# KiCad board untitled.kicad_pcb (continued)
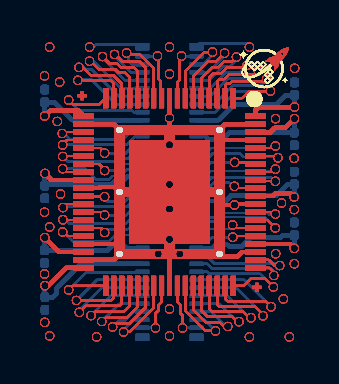
[diagram p0: board, top side]
## Routing (per net, layer and track width the routed paths; a pad name or vN(x,y) marks a point on that pad's centre or on a via; arc(x,y) is an arc through that point) (continued)
/PIN 52: length 334.8
  Top w0.2: 12.31,5.52 11.57,5.52 ; 12.31,5.52 v1(12.5,5.33) ; 12.31,5.52 v1(12.5,5.33) ; 12.31,5.52 v1(12.5,5.33) ; 12.31,5.52 v1(12.5,5.33) ; 12.31,5.52 11.57,5.52 ; 12.31,5.52 v1(12.5,5.33) ; 12.31,5.52 v1(12.5,5.33) ; 12.31,5.52 11.57,5.52 ; 12.31,5.52 11.57,5.52 ; 12.31,5.52 v1(12.5,5.33) ; 12.31,5.52 v1(12.5,5.33) ; 12.31,5.52 v1(12.5,5.33) ; 12.31,5.52 v1(12.5,5.33) ; 12.31,5.52 v1(12.5,5.33) ; 12.31,5.52 11.57,5.52 ; 12.31,5.52 v1(12.5,5.33) ; 12.31,5.52 11.57,5.52 ; 12.31,5.52 v1(12.5,5.33) ; 12.31,5.52 v1(12.5,5.33) ; 12.31,5.52 11.57,5.52 ; 12.31,5.52 11.57,5.52 ; 12.31,5.52 11.57,5.52 ; 12.31,5.52 11.57,5.52 ; 12.31,5.52 11.57,5.52 ; 12.31,5.52 v1(12.5,5.33) ; 12.31,5.52 11.57,5.52 ; 12.31,5.52 v1(12.5,5.33) ; 12.31,5.52 v1(12.5,5.33) ; 12.31,5.52 v1(12.5,5.33) ; 12.31,5.52 11.57,5.52 ; 12.31,5.52 11.57,5.52 ; 12.31,5.52 11.57,5.52 ; 12.31,5.52 11.57,5.52 ; 12.31,5.52 11.57,5.52 ; 12.31,5.52 v1(12.5,5.33) ; 12.31,5.52 11.57,5.52 ; 12.31,5.52 11.57,5.52 ; 12.31,5.52 11.57,5.52 ; 12.31,5.52 v1(12.5,5.33) ; 12.31,5.52 11.57,5.52 ; 12.31,5.52 v1(12.5,5.33) ; 12.31,5.52 v1(12.5,5.33) ; 12.31,5.52 v1(12.5,5.33) ; 12.31,5.52 v1(12.5,5.33) ; 12.31,5.52 v1(12.5,5.33) ; 12.31,5.52 11.57,5.52 ; 12.31,5.52 v1(12.5,5.33) ; 12.31,5.52 11.57,5.52 ; 12.31,5.52 v1(12.5,5.33) ; 12.31,5.52 11.57,5.52 ; 12.31,5.52 11.57,5.52 ; 12.31,5.52 11.57,5.52 ; 12.31,5.52 11.57,5.52 ; 12.31,5.52 11.57,5.52 ; 12.31,5.52 v1(12.5,5.33) ; 12.31,5.52 11.57,5.52 ; 12.31,5.52 11.57,5.52 ; 12.31,5.52 v1(12.5,5.33) ; 12.31,5.52 11.57,5.52 ; 12.31,5.52 11.57,5.52 ; 12.31,5.52 v1(12.5,5.33) ; 12.31,5.52 11.57,5.52 ; 12.31,5.52 v1(12.5,5.33) ; 12.31,5.52 v1(12.5,5.33) ; 12.31,5.52 v1(12.5,5.33) ; 12.31,5.52 v1(12.5,5.33) ; 12.31,5.52 11.57,5.52 ; 12.31,5.52 11.57,5.52 ; 12.31,5.52 11.57,5.52 ; 12.31,5.52 v1(12.5,5.33) ; 12.31,5.52 11.57,5.52 ; 12.31,5.52 v1(12.5,5.33) ; 12.31,5.52 v1(12.5,5.33) ; 12.31,5.52 11.57,5.52 ; 12.31,5.52 11.57,5.52 ; 12.31,5.52 v1(12.5,5.33) ; 12.31,5.52 11.57,5.52 ; 12.31,5.52 11.57,5.52 ; 12.31,5.52 v1(12.5,5.33) ; 12.31,5.52 v1(12.5,5.33) ; 12.31,5.52 v1(12.5,5.33) ; 12.31,5.52 v1(12.5,5.33) ; 12.31,5.52 11.57,5.52 ; 11.57,5.52 11.43,5.38 ; 11.57,5.52 11.43,5.38 ; 11.57,5.52 11.43,5.38 ; 11.57,5.52 11.43,5.38 ; 11.57,5.52 11.43,5.38 ; 11.57,5.52 11.43,5.38 ; 11.57,5.52 11.43,5.38 ; 11.57,5.52 11.43,5.38 ; 11.57,5.52 11.43,5.38 ; 11.57,5.52 11.43,5.38 ; 11.57,5.52 11.43,5.38 ; 11.57,5.52 11.43,5.38 ; 11.57,5.52 11.43,5.38 ; 11.57,5.52 11.43,5.38 ; 11.57,5.52 11.43,5.38 ; 11.57,5.52 11.43,5.38 ; 11.57,5.52 11.43,5.38 ; 11.57,5.52 11.43,5.38 ; 11.57,5.52 11.43,5.38 ; 11.57,5.52 11.43,5.38 ; 11.57,5.52 11.43,5.38 ; 11.57,5.52 11.43,5.38 ; 11.57,5.52 11.43,5.38 ; 11.57,5.52 11.43,5.38 ; 11.57,5.52 11.43,5.38 ; 11.57,5.52 11.43,5.38 ; 11.57,5.52 11.43,5.38 ; 11.57,5.52 11.43,5.38 ; 11.57,5.52 11.43,5.38 ; 11.57,5.52 11.43,5.38 ; 11.57,5.52 11.43,5.38 ; 11.57,5.52 11.43,5.38 ; 11.57,5.52 11.43,5.38 ; 11.57,5.52 11.43,5.38 ; 11.57,5.52 11.43,5.38 ; 11.57,5.52 11.43,5.38 ; 11.57,5.52 11.43,5.38 ; 11.57,5.52 11.43,5.38 ; 11.57,5.52 11.43,5.38 ; 11.57,5.52 11.43,5.38 ; 11.57,5.52 11.43,5.38 ; 11.57,5.52 11.43,5.38 ; 11.43,5.38 J158.64 ; 11.43,5.38 J158.64 ; 11.43,5.38 J158.64 ; 11.43,5.38 J158.64 ; 11.43,5.38 J158.64 ; 11.43,5.38 J158.64 ; 11.43,5.38 J158.64 ; 11.43,5.38 J158.64 ; 11.43,5.38 J158.64 ; 11.43,5.38 J158.64 ; 11.43,5.38 J158.64 ; 11.43,5.38 J158.64 ; 11.43,5.38 J158.64 ; 11.43,5.38 J158.64 ; 11.43,5.38 J158.64 ; 11.43,5.38 J158.64 ; 11.43,5.38 J158.64 ; 11.43,5.38 J158.64 ; 11.43,5.38 J158.64 ; 11.43,5.38 J158.64 ; 11.43,5.38 J158.64 ; 11.43,5.38 J158.64 ; 11.43,5.38 J158.64 ; 11.43,5.38 J158.64 ; 11.43,5.38 J158.64 ; 11.43,5.38 J158.64 ; 11.43,5.38 J158.64 ; 11.43,5.38 J158.64 ; 11.43,5.38 J158.64 ; 11.43,5.38 J158.64 ; 11.43,5.38 J158.64 ; 11.43,5.38 J158.64 ; 11.43,5.38 J158.64 ; 11.43,5.38 J158.64 ; 11.43,5.38 J158.64 ; 11.43,5.38 J158.64 ; 11.43,5.38 J158.64 ; 11.43,5.38 J158.64 ; 11.43,5.38 J158.64 ; 11.43,5.38 J158.64 ; 11.43,5.38 J158.64 ; 11.43,5.38 J158.64
  Bottom w0.2: 9.07,5.13 9.36,5.41 ; 9.07,5.13 7.67,5.13 ; 9.07,5.13 7.67,5.13 ; 9.07,5.13 7.67,5.13 ; 9.07,5.13 9.36,5.41 ; 9.07,5.13 9.36,5.41 ; 9.07,5.13 7.67,5.13 ; 9.07,5.13 7.67,5.13 ; 9.07,5.13 7.67,5.13 ; 9.07,5.13 7.67,5.13 ; 9.07,5.13 7.67,5.13 ; 9.07,5.13 9.36,5.41 ; 9.07,5.13 9.36,5.41 ; 9.07,5.13 7.67,5.13 ; 9.07,5.13 9.36,5.41 ; 9.07,5.13 7.67,5.13 ; 9.07,5.13 7.67,5.13 ; 9.07,5.13 7.67,5.13 ; 9.07,5.13 9.36,5.41 ; 9.07,5.13 7.67,5.13 ; 9.07,5.13 9.36,5.41 ; 9.07,5.13 9.36,5.41 ; 9.07,5.13 9.36,5.41 ; 9.07,5.13 9.36,5.41 ; 9.07,5.13 7.67,5.13 ; 9.07,5.13 7.67,5.13 ; 9.07,5.13 7.67,5.13 ; 9.07,5.13 9.36,5.41 ; 9.07,5.13 9.36,5.41 ; 9.07,5.13 9.36,5.41 ; 9.07,5.13 7.67,5.13 ; 9.07,5.13 9.36,5.41 ; 9.07,5.13 9.36,5.41 ; 9.07,5.13 9.36,5.41 ; 9.07,5.13 9.36,5.41 ; 9.07,5.13 9.36,5.41 ; 9.07,5.13 7.67,5.13 ; 9.07,5.13 9.36,5.41 ; 9.07,5.13 9.36,5.41 ; 9.07,5.13 9.36,5.41 ; 9.07,5.13 7.67,5.13 ; 9.07,5.13 9.36,5.41 ; 9.07,5.13 9.36,5.41 ; 9.07,5.13 9.36,5.41 ; 9.07,5.13 9.36,5.41 ; 9.07,5.13 7.67,5.13 ; 9.07,5.13 9.36,5.41 ; 9.07,5.13 9.36,5.41 ; 9.07,5.13 7.67,5.13 ; 9.07,5.13 9.36,5.41 ; 9.07,5.13 7.67,5.13 ; 9.07,5.13 7.67,5.13 ; 9.07,5.13 9.36,5.41 ; 9.07,5.13 9.36,5.41 ; 9.07,5.13 7.67,5.13 ; 9.07,5.13 9.36,5.41 ; 9.07,5.13 7.67,5.13 ; 9.07,5.13 9.36,5.41 ; 9.07,5.13 9.36,5.41 ; 9.07,5.13 7.67,5.13 ; 9.07,5.13 7.67,5.13 ; 9.07,5.13 7.67,5.13 ; 9.07,5.13 9.36,5.41 ; 9.07,5.13 7.67,5.13 ; 9.07,5.13 9.36,5.41 ; 9.07,5.13 9.36,5.41 ; 9.07,5.13 7.67,5.13 ; 9.07,5.13 9.36,5.41 ; 9.07,5.13 7.67,5.13 ; 9.07,5.13 9.36,5.41 ; 9.07,5.13 9.36,5.41 ; 9.07,5.13 7.67,5.13 ; 9.07,5.13 7.67,5.13 ; 9.07,5.13 7.67,5.13 ; 9.07,5.13 7.67,5.13 ; 9.07,5.13 7.67,5.13 ; 9.07,5.13 7.67,5.13 ; 9.07,5.13 7.67,5.13 ; 9.07,5.13 7.67,5.13 ; 9.07,5.13 9.36,5.41 ; 9.07,5.13 7.67,5.13 ; 9.07,5.13 7.67,5.13 ; 9.07,5.13 9.36,5.41 ; 9.07,5.13 7.67,5.13 ; 9.36,5.41 11.62,5.41 ; 9.36,5.41 11.62,5.41 ; 9.36,5.41 11.62,5.41 ; 9.36,5.41 11.62,5.41 ; 9.36,5.41 11.62,5.41 ; 9.36,5.41 11.62,5.41 ; 9.36,5.41 11.62,5.41 ; 9.36,5.41 11.62,5.41 ; 9.36,5.41 11.62,5.41 ; 9.36,5.41 11.62,5.41 ; 9.36,5.41 11.62,5.41 ; 9.36,5.41 11.62,5.41 ; 9.36,5.41 11.62,5.41 ; 9.36,5.41 11.62,5.41 ; 9.36,5.41 11.62,5.41 ; 9.36,5.41 11.62,5.41 ; 9.36,5.41 11.62,5.41 ; 9.36,5.41 11.62,5.41 ; 9.36,5.41 11.62,5.41 ; 9.36,5.41 11.62,5.41 ; 9.36,5.41 11.62,5.41 ; 9.36,5.41 11.62,5.41 ; 9.36,5.41 11.62,5.41 ; 9.36,5.41 11.62,5.41 ; 9.36,5.41 11.62,5.41 ; 9.36,5.41 11.62,5.41 ; 9.36,5.41 11.62,5.41 ; 9.36,5.41 11.62,5.41 ; 9.36,5.41 11.62,5.41 ; 9.36,5.41 11.62,5.41 ; 9.36,5.41 11.62,5.41 ; 9.36,5.41 11.62,5.41 ; 9.36,5.41 11.62,5.41 ; 9.36,5.41 11.62,5.41 ; 9.36,5.41 11.62,5.41 ; 9.36,5.41 11.62,5.41 ; 9.36,5.41 11.62,5.41 ; 9.36,5.41 11.62,5.41 ; 9.36,5.41 11.62,5.41 ; 9.36,5.41 11.62,5.41 ; 9.36,5.41 11.62,5.41 ; 9.36,5.41 11.62,5.41 ; J173.19 7.67,5.13 ; J173.19 7.67,5.13 ; J173.19 7.67,5.13 ; J173.19 7.67,5.13 ; J173.19 7.67,5.13 ; J173.19 7.67,5.13 ; J173.19 7.67,5.13 ; J173.19 7.67,5.13 ; J173.19 7.67,5.13 ; J173.19 7.67,5.13 ; J173.19 7.67,5.13 ; J173.19 7.67,5.13 ; J173.19 7.67,5.13 ; J173.19 7.67,5.13 ; J173.19 7.67,5.13 ; J173.19 7.67,5.13 ; J173.19 7.67,5.13 ; J173.19 7.67,5.13 ; J173.19 7.67,5.13 ; J173.19 7.67,5.13 ; J173.19 7.67,5.13 ; J173.19 7.67,5.13 ; J173.19 7.67,5.13 ; J173.19 7.67,5.13 ; J173.19 7.67,5.13 ; J173.19 7.67,5.13 ; J173.19 7.67,5.13 ; J173.19 7.67,5.13 ; J173.19 7.67,5.13 ; J173.19 7.67,5.13 ; J173.19 7.67,5.13 ; J173.19 7.67,5.13 ; J173.19 7.67,5.13 ; J173.19 7.67,5.13 ; J173.19 7.67,5.13 ; J173.19 7.67,5.13 ; J173.19 7.67,5.13 ; J173.19 7.67,5.13 ; J173.19 7.67,5.13 ; J173.19 7.67,5.13 ; J173.19 7.67,5.13 ; J173.19 7.67,5.13 ; 12.51,5.34 v1(12.5,5.33) ; 12.51,5.34 v1(12.5,5.33) ; 12.51,5.34 v1(12.5,5.33) ; 12.51,5.34 v1(12.5,5.33) ; 12.51,5.34 C418.1 ; 12.51,5.34 C418.1 ; 12.51,5.34 v1(12.5,5.33) ; 12.51,5.34 v1(12.5,5.33) ; 12.51,5.34 v1(12.5,5.33) ; 12.51,5.34 v1(12.5,5.33) ; 12.51,5.34 C418.1 ; 12.51,5.34 C418.1 ; 12.51,5.34 C418.1 ; 12.51,5.34 C418.1 ; 12.51,5.34 C418.1 ; 12.51,5.34 v1(12.5,5.33) ; 12.51,5.34 v1(12.5,5.33) ; 12.51,5.34 v1(12.5,5.33) ; 12.51,5.34 C418.1 ; 12.51,5.34 C418.1 ; 12.51,5.34 C418.1 ; 12.51,5.34 v1(12.5,5.33) ; 12.51,5.34 C418.1 ; 12.51,5.34 v1(12.5,5.33) ; 12.51,5.34 C418.1 ; 12.51,5.34 C418.1 ; 12.51,5.34 C418.1 ; 12.51,5.34 v1(12.5,5.33) ; 12.51,5.34 v1(12.5,5.33) ; 12.51,5.34 v1(12.5,5.33) ; 12.51,5.34 C418.1 ; 12.51,5.34 v1(12.5,5.33) ; 12.51,5.34 C418.1 ; 12.51,5.34 v1(12.5,5.33) ; 12.51,5.34 C418.1 ; 12.51,5.34 C418.1 ; 12.51,5.34 C418.1 ; 12.51,5.34 v1(12.5,5.33) ; 12.51,5.34 v1(12.5,5.33) ; 12.51,5.34 v1(12.5,5.33) ; 12.51,5.34 v1(12.5,5.33) ; 12.51,5.34 v1(12.5,5.33) ; 12.51,5.34 v1(12.5,5.33) ; 12.51,5.34 C418.1 ; 12.51,5.34 C418.1 ; 12.51,5.34 C418.1 ; 12.51,5.34 v1(12.5,5.33) ; 12.51,5.34 C418.1 ; 12.51,5.34 C418.1 ; 12.51,5.34 v1(12.5,5.33) ; 12.51,5.34 v1(12.5,5.33) ; 12.51,5.34 v1(12.5,5.33) ; 12.51,5.34 C418.1 ; 12.51,5.34 C418.1 ; 12.51,5.34 v1(12.5,5.33) ; 12.51,5.34 C418.1 ; 12.51,5.34 v1(12.5,5.33) ; 12.51,5.34 C418.1 ; 12.51,5.34 v1(12.5,5.33) ; 12.51,5.34 v1(12.5,5.33) ; 12.51,5.34 v1(12.5,5.33) ; 12.51,5.34 v1(12.5,5.33) ; 12.51,5.34 C418.1 ; 12.51,5.34 v1(12.5,5.33) ; 12.51,5.34 C418.1 ; 12.51,5.34 C418.1 ; 12.51,5.34 v1(12.5,5.33) ; 12.51,5.34 C418.1 ; 12.51,5.34 C418.1 ; 12.51,5.34 C418.1 ; 12.51,5.34 v1(12.5,5.33) ; 12.51,5.34 C418.1 ; 12.51,5.34 v1(12.5,5.33) ; 12.51,5.34 C418.1 ; 12.51,5.34 v1(12.5,5.33) ; 12.51,5.34 C418.1 ; 12.51,5.34 C418.1 ; 12.51,5.34 C418.1 ; 12.51,5.34 v1(12.5,5.33) ; 12.51,5.34 C418.1 ; 12.51,5.34 v1(12.5,5.33) ; 12.51,5.34 v1(12.5,5.33) ; 12.51,5.34 C418.1 ; 12.51,5.34 C418.1 ; 11.62,5.41 12.17,5.96 ; 11.62,5.41 12.17,5.96 ; 11.62,5.41 12.17,5.96 ; 11.62,5.41 12.17,5.96 ; 11.62,5.41 12.17,5.96 ; 11.62,5.41 12.17,5.96 ; 11.62,5.41 12.17,5.96 ; 11.62,5.41 12.17,5.96 ; 11.62,5.41 12.17,5.96 ; 11.62,5.41 12.17,5.96 ; 11.62,5.41 12.17,5.96 ; 11.62,5.41 12.17,5.96 ; 11.62,5.41 12.17,5.96 ; 11.62,5.41 12.17,5.96 ; 11.62,5.41 12.17,5.96 ; 11.62,5.41 12.17,5.96 ; 11.62,5.41 12.17,5.96 ; 11.62,5.41 12.17,5.96 ; 11.62,5.41 12.17,5.96 ; 11.62,5.41 12.17,5.96 ; 11.62,5.41 12.17,5.96 ; 11.62,5.41 12.17,5.96 ; 11.62,5.41 12.17,5.96 ; 11.62,5.41 12.17,5.96 ; 11.62,5.41 12.17,5.96 ; 11.62,5.41 12.17,5.96 ; 11.62,5.41 12.17,5.96 ; 11.62,5.41 12.17,5.96 ; 11.62,5.41 12.17,5.96 ; 11.62,5.41 12.17,5.96 ; 11.62,5.41 12.17,5.96 ; 11.62,5.41 12.17,5.96 ; 11.62,5.41 12.17,5.96 ; 11.62,5.41 12.17,5.96 ; 11.62,5.41 12.17,5.96 ; 11.62,5.41 12.17,5.96 ; 11.62,5.41 12.17,5.96 ; 11.62,5.41 12.17,5.96 ; 11.62,5.41 12.17,5.96 ; 11.62,5.41 12.17,5.96 ; 11.62,5.41 12.17,5.96 ; 11.62,5.41 12.17,5.96 ; 12.17,5.96 C418.1 ; 12.17,5.96 C418.1 ; 12.17,5.96 C418.1 ; 12.17,5.96 C418.1 ; 12.17,5.96 C418.1 ; 12.17,5.96 C418.1 ; 12.17,5.96 C418.1 ; 12.17,5.96 C418.1 ; 12.17,5.96 C418.1 ; 12.17,5.96 C418.1 ; 12.17,5.96 C418.1 ; 12.17,5.96 C418.1 ; 12.17,5.96 C418.1 ; 12.17,5.96 C418.1 ; 12.17,5.96 C418.1 ; 12.17,5.96 C418.1 ; 12.17,5.96 C418.1 ; 12.17,5.96 C418.1 ; 12.17,5.96 C418.1 ; 12.17,5.96 C418.1 ; 12.17,5.96 C418.1 ; 12.17,5.96 C418.1 ; 12.17,5.96 C418.1 ; 12.17,5.96 C418.1 ; 12.17,5.96 C418.1 ; 12.17,5.96 C418.1 ; 12.17,5.96 C418.1 ; 12.17,5.96 C418.1 ; 12.17,5.96 C418.1 ; 12.17,5.96 C418.1 ; 12.17,5.96 C418.1 ; 12.17,5.96 C418.1 ; 12.17,5.96 C418.1 ; 12.17,5.96 C418.1 ; 12.17,5.96 C418.1 ; 12.17,5.96 C418.1 ; 12.17,5.96 C418.1 ; 12.17,5.96 C418.1 ; 12.17,5.96 C418.1 ; 12.17,5.96 C418.1 ; 12.17,5.96 C418.1 ; 12.17,5.96 C418.1
/PIN 53: length 136.3
  Top w0.1: 9.61,5.86 9.7,5.78 ; 9.61,5.86 9.7,5.78 ; 9.61,5.86 9.7,5.78 ; 9.61,5.86 v1(9.51,5.86) ; 9.61,5.86 9.7,5.78 ; 9.61,5.86 v1(9.51,5.86) ; 9.61,5.86 9.7,5.78 ; 9.61,5.86 v1(9.51,5.86) ; 9.61,5.86 9.7,5.78 ; 9.61,5.86 9.7,5.78 ; 9.61,5.86 9.7,5.78 ; 9.61,5.86 9.7,5.78 ; 9.61,5.86 9.7,5.78 ; 9.61,5.86 v1(9.51,5.86) ; 9.61,5.86 9.7,5.78 ; 9.61,5.86 v1(9.51,5.86) ; 9.61,5.86 9.7,5.78 ; 9.61,5.86 v1(9.51,5.86) ; 9.61,5.86 v1(9.51,5.86) ; 9.61,5.86 9.7,5.78 ; 9.61,5.86 9.7,5.78 ; 9.61,5.86 9.7,5.78 ; 9.61,5.86 v1(9.51,5.86) ; 9.61,5.86 v1(9.51,5.86) ; 9.61,5.86 9.7,5.78 ; 9.61,5.86 v1(9.51,5.86) ; 9.61,5.86 9.7,5.78 ; 9.61,5.86 v1(9.51,5.86) ; 9.61,5.86 9.7,5.78 ; 9.61,5.86 9.7,5.78 ; 9.61,5.86 v1(9.51,5.86) ; 9.61,5.86 9.7,5.78 ; 9.61,5.86 9.7,5.78 ; 9.61,5.86 v1(9.51,5.86) ; 9.61,5.86 v1(9.51,5.86) ; 9.61,5.86 9.7,5.78 ; 9.61,5.86 v1(9.51,5.86) ; 9.61,5.86 9.7,5.78 ; 9.61,5.86 v1(9.51,5.86) ; 9.61,5.86 9.7,5.78 ; 9.61,5.86 v1(9.51,5.86) ; 9.61,5.86 v1(9.51,5.86) ; 9.61,5.86 v1(9.51,5.86) ; 9.61,5.86 v1(9.51,5.86) ; 9.61,5.86 v1(9.51,5.86) ; 9.61,5.86 v1(9.51,5.86) ; 9.61,5.86 v1(9.51,5.86) ; 9.61,5.86 9.7,5.78 ; 9.61,5.86 9.7,5.78 ; 9.61,5.86 9.7,5.78 ; 9.61,5.86 9.7,5.78 ; 9.61,5.86 v1(9.51,5.86) ; 9.61,5.86 v1(9.51,5.86) ; 9.61,5.86 v1(9.51,5.86) ; 9.61,5.86 v1(9.51,5.86) ; 9.61,5.86 v1(9.51,5.86) ; 9.61,5.86 v1(9.51,5.86) ; 9.61,5.86 v1(9.51,5.86) ; 9.61,5.86 9.7,5.78 ; 9.61,5.86 9.7,5.78 ; 9.61,5.86 v1(9.51,5.86) ; 9.61,5.86 v1(9.51,5.86) ; 9.61,5.86 v1(9.51,5.86) ; 9.61,5.86 v1(9.51,5.86) ; 9.61,5.86 9.7,5.78 ; 9.61,5.86 v1(9.51,5.86) ; 9.61,5.86 9.7,5.78 ; 9.61,5.86 9.7,5.78 ; 9.61,5.86 9.7,5.78 ; 9.61,5.86 9.7,5.78 ; 9.61,5.86 v1(9.51,5.86) ; 9.61,5.86 9.7,5.78 ; 9.61,5.86 v1(9.51,5.86) ; 9.61,5.86 v1(9.51,5.86) ; 9.61,5.86 9.7,5.78 ; 9.61,5.86 9.7,5.78 ; 9.61,5.86 v1(9.51,5.86) ; 9.61,5.86 9.7,5.78 ; 9.61,5.86 9.7,5.78 ; 9.61,5.86 9.7,5.78 ; 9.61,5.86 v1(9.51,5.86) ; 9.61,5.86 v1(9.51,5.86) ; 9.61,5.86 9.7,5.78 ; 9.61,5.86 v1(9.51,5.86) ; 9.7,5.78 J158.65 ; 9.7,5.78 J158.65 ; 9.7,5.78 J158.65 ; 9.7,5.78 J158.65 ; 9.7,5.78 J158.65 ; 9.7,5.78 J158.65 ; 9.7,5.78 J158.65 ; 9.7,5.78 J158.65 ; 9.7,5.78 J158.65 ; 9.7,5.78 J158.65 ; 9.7,5.78 J158.65 ; 9.7,5.78 J158.65 ; 9.7,5.78 J158.65 ; 9.7,5.78 J158.65 ; 9.7,5.78 J158.65 ; 9.7,5.78 J158.65 ; 9.7,5.78 J158.65 ; 9.7,5.78 J158.65 ; 9.7,5.78 J158.65 ; 9.7,5.78 J158.65 ; 9.7,5.78 J158.65 ; 9.7,5.78 J158.65 ; 9.7,5.78 J158.65 ; 9.7,5.78 J158.65 ; 9.7,5.78 J158.65 ; 9.7,5.78 J158.65 ; 9.7,5.78 J158.65 ; 9.7,5.78 J158.65 ; 9.7,5.78 J158.65 ; 9.7,5.78 J158.65 ; 9.7,5.78 J158.65 ; 9.7,5.78 J158.65 ; 9.7,5.78 J158.65 ; 9.7,5.78 J158.65 ; 9.7,5.78 J158.65 ; 9.7,5.78 J158.65 ; 9.7,5.78 J158.65 ; 9.7,5.78 J158.65 ; 9.7,5.78 J158.65 ; 9.7,5.78 J158.65 ; 9.7,5.78 J158.65 ; 9.7,5.78 J158.65
  Bottom w0.1: 8.01,5.58 J173.18 ; 8.01,5.58 8.47,6.04 ; 8.01,5.58 8.47,6.04 ; 8.01,5.58 J173.18 ; 8.01,5.58 J173.18 ; 8.01,5.58 8.47,6.04 ; 8.01,5.58 J173.18 ; 8.01,5.58 J173.18 ; 8.01,5.58 8.47,6.04 ; 8.01,5.58 J173.18 ; 8.01,5.58 8.47,6.04 ; 8.01,5.58 J173.18 ; 8.01,5.58 8.47,6.04 ; 8.01,5.58 J173.18 ; 8.01,5.58 J173.18 ; 8.01,5.58 J173.18 ; 8.01,5.58 8.47,6.04 ; 8.01,5.58 8.47,6.04 ; 8.01,5.58 8.47,6.04 ; 8.01,5.58 8.47,6.04 ; 8.01,5.58 J173.18 ; 8.01,5.58 J173.18 ; 8.01,5.58 J173.18 ; 8.01,5.58 8.47,6.04 ; 8.01,5.58 J173.18 ; 8.01,5.58 8.47,6.04 ; 8.01,5.58 J173.18 ; 8.01,5.58 J173.18 ; 8.01,5.58 8.47,6.04 ; 8.01,5.58 8.47,6.04 ; 8.01,5.58 J173.18 ; 8.01,5.58 8.47,6.04 ; 8.01,5.58 J173.18 ; 8.01,5.58 8.47,6.04 ; 8.01,5.58 8.47,6.04 ; 8.01,5.58 8.47,6.04 ; 8.01,5.58 8.47,6.04 ; 8.01,5.58 J173.18 ; 8.01,5.58 J173.18 ; 8.01,5.58 8.47,6.04 ; 8.01,5.58 J173.18 ; 8.01,5.58 J173.18 ; 8.01,5.58 8.47,6.04 ; 8.01,5.58 J173.18 ; 8.01,5.58 8.47,6.04 ; 8.01,5.58 8.47,6.04 ; 8.01,5.58 J173.18 ; 8.01,5.58 J173.18 ; 8.01,5.58 J173.18 ; 8.01,5.58 8.47,6.04 ; 8.01,5.58 8.47,6.04 ; 8.01,5.58 J173.18 ; 8.01,5.58 8.47,6.04 ; 8.01,5.58 8.47,6.04 ; 8.01,5.58 J173.18 ; 8.01,5.58 8.47,6.04 ; 8.01,5.58 J173.18 ; 8.01,5.58 8.47,6.04 ; 8.01,5.58 J173.18 ; 8.01,5.58 8.47,6.04 ; 8.01,5.58 8.47,6.04 ; 8.01,5.58 J173.18 ; 8.01,5.58 J173.18 ; 8.01,5.58 J173.18 ; 8.01,5.58 8.47,6.04 ; 8.01,5.58 8.47,6.04 ; 8.01,5.58 8.47,6.04 ; 8.01,5.58 8.47,6.04 ; 8.01,5.58 8.47,6.04 ; 8.01,5.58 8.47,6.04 ; 8.01,5.58 J173.18 ; 8.01,5.58 8.47,6.04 ; 8.01,5.58 J173.18 ; 8.01,5.58 8.47,6.04 ; 8.01,5.58 8.47,6.04 ; 8.01,5.58 J173.18 ; 8.01,5.58 J173.18 ; 8.01,5.58 J173.18 ; 8.01,5.58 J173.18 ; 8.01,5.58 8.47,6.04 ; 8.01,5.58 J173.18 ; 8.01,5.58 8.47,6.04 ; 8.01,5.58 J173.18 ; 8.01,5.58 J173.18 ; 9.51,5.87 9.42,5.87 ; 9.51,5.87 v1(9.51,5.86) ; 9.51,5.87 9.42,5.87 ; 9.51,5.87 9.42,5.87 ; 9.51,5.87 v1(9.51,5.86) ; 9.51,5.87 v1(9.51,5.86) ; 9.51,5.87 v1(9.51,5.86) ; 9.51,5.87 9.42,5.87 ; 9.51,5.87 9.42,5.87 ; 9.51,5.87 9.42,5.87 ; 9.51,5.87 9.42,5.87 ; 9.51,5.87 9.42,5.87 ; 9.51,5.87 9.42,5.87 ; 9.51,5.87 9.42,5.87 ; 9.51,5.87 v1(9.51,5.86) ; 9.51,5.87 v1(9.51,5.86) ; 9.51,5.87 v1(9.51,5.86) ; 9.51,5.87 9.42,5.87 ; 9.51,5.87 v1(9.51,5.86) ; 9.51,5.87 v1(9.51,5.86) ; 9.51,5.87 v1(9.51,5.86) ; 9.51,5.87 9.42,5.87 ; 9.51,5.87 v1(9.51,5.86) ; 9.51,5.87 9.42,5.87 ; 9.51,5.87 9.42,5.87 ; 9.51,5.87 v1(9.51,5.86) ; 9.51,5.87 9.42,5.87 ; 9.51,5.87 9.42,5.87 ; 9.51,5.87 v1(9.51,5.86) ; 9.51,5.87 v1(9.51,5.86) ; 9.51,5.87 v1(9.51,5.86) ; 9.51,5.87 9.42,5.87 ; 9.51,5.87 v1(9.51,5.86) ; 9.51,5.87 9.42,5.87 ; 9.51,5.87 v1(9.51,5.86) ; 9.51,5.87 9.42,5.87 ; 9.51,5.87 v1(9.51,5.86) ; 9.51,5.87 9.42,5.87 ; 9.51,5.87 v1(9.51,5.86) ; 9.51,5.87 v1(9.51,5.86) ; 9.51,5.87 v1(9.51,5.86) ; 9.51,5.87 9.42,5.87 ; 9.51,5.87 9.42,5.87 ; 9.51,5.87 v1(9.51,5.86) ; 9.51,5.87 v1(9.51,5.86) ; 9.51,5.87 v1(9.51,5.86) ; 9.51,5.87 v1(9.51,5.86) ; 9.51,5.87 v1(9.51,5.86) ; 9.51,5.87 9.42,5.87 ; 9.51,5.87 9.42,5.87 ; 9.51,5.87 9.42,5.87 ; 9.51,5.87 9.42,5.87 ; 9.51,5.87 9.42,5.87 ; 9.51,5.87 v1(9.51,5.86) ; 9.51,5.87 9.42,5.87 ; 9.51,5.87 v1(9.51,5.86) ; 9.51,5.87 9.42,5.87 ; 9.51,5.87 v1(9.51,5.86) ; 9.51,5.87 9.42,5.87 ; 9.51,5.87 v1(9.51,5.86) ; 9.51,5.87 9.42,5.87 ; 9.51,5.87 9.42,5.87 ; 9.51,5.87 9.42,5.87 ; 9.51,5.87 v1(9.51,5.86) ; 9.51,5.87 v1(9.51,5.86) ; 9.51,5.87 9.42,5.87 ; 9.51,5.87 v1(9.51,5.86) ; 9.51,5.87 v1(9.51,5.86) ; 9.51,5.87 9.42,5.87 ; 9.51,5.87 9.42,5.87 ; 9.51,5.87 v1(9.51,5.86) ; 9.51,5.87 v1(9.51,5.86) ; 9.51,5.87 9.42,5.87 ; 9.51,5.87 9.42,5.87 ; 9.51,5.87 9.42,5.87 ; 9.51,5.87 9.42,5.87 ; 9.51,5.87 9.42,5.87 ; 9.51,5.87 v1(9.51,5.86) ; 9.51,5.87 v1(9.51,5.86) ; 9.51,5.87 v1(9.51,5.86) ; 9.51,5.87 v1(9.51,5.86) ; 9.51,5.87 v1(9.51,5.86) ; 9.51,5.87 v1(9.51,5.86) ; 9.51,5.87 9.42,5.87 ; 9.42,5.87 9.25,6.04 ; 9.42,5.87 9.25,6.04 ; 9.42,5.87 9.25,6.04 ; 9.42,5.87 9.25,6.04 ; 9.42,5.87 9.25,6.04 ; 9.42,5.87 9.25,6.04 ; 9.42,5.87 9.25,6.04 ; 9.42,5.87 9.25,6.04 ; 9.42,5.87 9.25,6.04 ; 9.42,5.87 9.25,6.04 ; 9.42,5.87 9.25,6.04 ; 9.42,5.87 9.25,6.04 ; 9.42,5.87 9.25,6.04 ; 9.42,5.87 9.25,6.04 ; 9.42,5.87 9.25,6.04 ; 9.42,5.87 9.25,6.04 ; 9.42,5.87 9.25,6.04 ; 9.42,5.87 9.25,6.04 ; 9.42,5.87 9.25,6.04 ; 9.42,5.87 9.25,6.04 ; 9.42,5.87 9.25,6.04 ; 9.42,5.87 9.25,6.04 ; 9.42,5.87 9.25,6.04 ; 9.42,5.87 9.25,6.04 ; 9.42,5.87 9.25,6.04 ; 9.42,5.87 9.25,6.04 ; 9.42,5.87 9.25,6.04 ; 9.42,5.87 9.25,6.04 ; 9.42,5.87 9.25,6.04 ; 9.42,5.87 9.25,6.04 ; 9.42,5.87 9.25,6.04 ; 9.42,5.87 9.25,6.04 ; 9.42,5.87 9.25,6.04 ; 9.42,5.87 9.25,6.04 ; 9.42,5.87 9.25,6.04 ; 9.42,5.87 9.25,6.04 ; 9.42,5.87 9.25,6.04 ; 9.42,5.87 9.25,6.04 ; 9.42,5.87 9.25,6.04 ; 9.42,5.87 9.25,6.04 ; 9.42,5.87 9.25,6.04 ; 9.42,5.87 9.25,6.04 ; 9.25,6.04 8.47,6.04 ; 9.25,6.04 8.47,6.04 ; 9.25,6.04 8.47,6.04 ; 9.25,6.04 8.47,6.04 ; 9.25,6.04 8.47,6.04 ; 9.25,6.04 8.47,6.04 ; 9.25,6.04 8.47,6.04 ; 9.25,6.04 8.47,6.04 ; 9.25,6.04 8.47,6.04 ; 9.25,6.04 8.47,6.04 ; 9.25,6.04 8.47,6.04 ; 9.25,6.04 8.47,6.04 ; 9.25,6.04 8.47,6.04 ; 9.25,6.04 8.47,6.04 ; 9.25,6.04 8.47,6.04 ; 9.25,6.04 8.47,6.04 ; 9.25,6.04 8.47,6.04 ; 9.25,6.04 8.47,6.04 ; 9.25,6.04 8.47,6.04 ; 9.25,6.04 8.47,6.04 ; 9.25,6.04 8.47,6.04 ; 9.25,6.04 8.47,6.04 ; 9.25,6.04 8.47,6.04 ; 9.25,6.04 8.47,6.04 ; 9.25,6.04 8.47,6.04 ; 9.25,6.04 8.47,6.04 ; 9.25,6.04 8.47,6.04 ; 9.25,6.04 8.47,6.04 ; 9.25,6.04 8.47,6.04 ; 9.25,6.04 8.47,6.04 ; 9.25,6.04 8.47,6.04 ; 9.25,6.04 8.47,6.04 ; 9.25,6.04 8.47,6.04 ; 9.25,6.04 8.47,6.04 ; 9.25,6.04 8.47,6.04 ; 9.25,6.04 8.47,6.04 ; 9.25,6.04 8.47,6.04 ; 9.25,6.04 8.47,6.04 ; 9.25,6.04 8.47,6.04 ; 9.25,6.04 8.47,6.04 ; 9.25,6.04 8.47,6.04 ; 9.25,6.04 8.47,6.04
/PIN 54: length 226.3
  Top w0.1: 11.66,6.12 11.65,6.13 ; 11.66,6.12 11.65,6.13 ; 11.66,6.12 11.65,6.13 ; 11.66,6.12 11.65,6.13 ; 11.66,6.12 11.65,6.13 ; 11.66,6.12 11.65,6.13 ; 11.66,6.12 11.65,6.13 ; 11.66,6.12 11.65,6.13 ; 11.66,6.12 11.65,6.13 ; 11.66,6.12 11.65,6.13 ; 11.66,6.12 11.65,6.13 ; 11.66,6.12 11.65,6.13 ; 11.66,6.12 11.65,6.13 ; 11.66,6.12 11.65,6.13 ; 11.66,6.12 11.65,6.13 ; 11.66,6.12 11.65,6.13 ; 11.66,6.12 11.65,6.13 ; 11.66,6.12 11.65,6.13 ; 11.66,6.12 11.65,6.13 ; 11.66,6.12 11.65,6.13 ; 11.66,6.12 11.65,6.13 ; 11.66,6.12 11.65,6.13 ; 11.66,6.12 11.65,6.13 ; 11.66,6.12 11.65,6.13 ; 11.66,6.12 11.65,6.13 ; 11.66,6.12 11.65,6.13 ; 11.66,6.12 11.65,6.13 ; 11.66,6.12 11.65,6.13 ; 11.66,6.12 11.65,6.13 ; 11.66,6.12 11.65,6.13 ; 11.66,6.12 11.65,6.13 ; 11.66,6.12 11.65,6.13 ; 11.66,6.12 11.65,6.13 ; 11.66,6.12 11.65,6.13 ; 11.66,6.12 11.65,6.13 ; 11.66,6.12 11.65,6.13 ; 11.66,6.12 11.65,6.13 ; 11.66,6.12 11.65,6.13 ; 11.66,6.12 11.65,6.13 ; 11.66,6.12 11.65,6.13 ; 11.66,6.12 11.65,6.13 ; 11.66,6.12 11.65,6.13 ; 11.65,6.13 10.61,6.13 ; 11.65,6.13 10.61,6.13 ; 11.65,6.13 10.61,6.13 ; 11.65,6.13 10.61,6.13 ; 11.65,6.13 10.61,6.13 ; 11.65,6.13 10.61,6.13 ; 11.65,6.13 10.61,6.13 ; 11.65,6.13 10.61,6.13 ; 11.65,6.13 10.61,6.13 ; 11.65,6.13 10.61,6.13 ; 11.65,6.13 10.61,6.13 ; 11.65,6.13 10.61,6.13 ; 11.65,6.13 10.61,6.13 ; 11.65,6.13 10.61,6.13 ; 11.65,6.13 10.61,6.13 ; 11.65,6.13 10.61,6.13 ; 11.65,6.13 10.61,6.13 ; 11.65,6.13 10.61,6.13 ; 11.65,6.13 10.61,6.13 ; 11.65,6.13 10.61,6.13 ; 11.65,6.13 10.61,6.13 ; 11.65,6.13 10.61,6.13 ; 11.65,6.13 10.61,6.13 ; 11.65,6.13 10.61,6.13 ; 11.65,6.13 10.61,6.13 ; 11.65,6.13 10.61,6.13 ; 11.65,6.13 10.61,6.13 ; 11.65,6.13 10.61,6.13 ; 11.65,6.13 10.61,6.13 ; 11.65,6.13 10.61,6.13 ; 11.65,6.13 10.61,6.13 ; 11.65,6.13 10.61,6.13 ; 11.65,6.13 10.61,6.13 ; 11.65,6.13 10.61,6.13 ; 11.65,6.13 10.61,6.13 ; 11.65,6.13 10.61,6.13 ; 11.65,6.13 10.61,6.13 ; 11.65,6.13 10.61,6.13 ; 11.65,6.13 10.61,6.13 ; 11.65,6.13 10.61,6.13 ; 11.65,6.13 10.61,6.13 ; 11.65,6.13 10.61,6.13 ; 10.61,6.13 J158.66 ; 10.61,6.13 J158.66 ; 10.61,6.13 J158.66 ; 10.61,6.13 J158.66 ; 10.61,6.13 J158.66 ; 10.61,6.13 J158.66 ; 10.61,6.13 J158.66 ; 10.61,6.13 J158.66 ; 10.61,6.13 J158.66 ; 10.61,6.13 J158.66 ; 10.61,6.13 J158.66 ; 10.61,6.13 J158.66 ; 10.61,6.13 J158.66 ; 10.61,6.13 J158.66 ; 10.61,6.13 J158.66 ; 10.61,6.13 J158.66 ; 10.61,6.13 J158.66 ; 10.61,6.13 J158.66 ; 10.61,6.13 J158.66 ; 10.61,6.13 J158.66 ; 10.61,6.13 J158.66 ; 10.61,6.13 J158.66 ; 10.61,6.13 J158.66 ; 10.61,6.13 J158.66 ; 10.61,6.13 J158.66 ; 10.61,6.13 J158.66 ; 10.61,6.13 J158.66 ; 10.61,6.13 J158.66 ; 10.61,6.13 J158.66 ; 10.61,6.13 J158.66 ; 10.61,6.13 J158.66 ; 10.61,6.13 J158.66 ; 10.61,6.13 J158.66 ; 10.61,6.13 J158.66 ; 10.61,6.13 J158.66 ; 10.61,6.13 J158.66 ; 10.61,6.13 J158.66 ; 10.61,6.13 J158.66 ; 10.61,6.13 J158.66 ; 10.61,6.13 J158.66 ; 10.61,6.13 J158.66 ; 10.61,6.13 J158.66
  Bottom w0.1: 11.52,6.12 11.34,6.3 ; 11.52,6.12 11.66,6.12 ; 11.52,6.12 11.34,6.3 ; 11.52,6.12 11.34,6.3 ; 11.52,6.12 11.66,6.12 ; 11.52,6.12 11.34,6.3 ; 11.52,6.12 11.34,6.3 ; 11.52,6.12 11.34,6.3 ; 11.52,6.12 11.34,6.3 ; 11.52,6.12 11.66,6.12 ; 11.52,6.12 11.66,6.12 ; 11.52,6.12 11.66,6.12 ; 11.52,6.12 11.34,6.3 ; 11.52,6.12 11.66,6.12 ; 11.52,6.12 11.34,6.3 ; 11.52,6.12 11.66,6.12 ; 11.52,6.12 11.34,6.3 ; 11.52,6.12 11.66,6.12 ; 11.52,6.12 11.34,6.3 ; 11.52,6.12 11.66,6.12 ; 11.52,6.12 11.66,6.12 ; 11.52,6.12 11.34,6.3 ; 11.52,6.12 11.66,6.12 ; 11.52,6.12 11.34,6.3 ; 11.52,6.12 11.66,6.12 ; 11.52,6.12 11.34,6.3 ; 11.52,6.12 11.66,6.12 ; 11.52,6.12 11.66,6.12 ; 11.52,6.12 11.66,6.12 ; 11.52,6.12 11.34,6.3 ; 11.52,6.12 11.66,6.12 ; 11.52,6.12 11.66,6.12 ; 11.52,6.12 11.66,6.12 ; 11.52,6.12 11.66,6.12 ; 11.52,6.12 11.34,6.3 ; 11.52,6.12 11.34,6.3 ; 11.52,6.12 11.34,6.3 ; 11.52,6.12 11.34,6.3 ; 11.52,6.12 11.34,6.3 ; 11.52,6.12 11.34,6.3 ; 11.52,6.12 11.34,6.3 ; 11.52,6.12 11.66,6.12 ; 11.52,6.12 11.34,6.3 ; 11.52,6.12 11.66,6.12 ; 11.52,6.12 11.34,6.3 ; 11.52,6.12 11.34,6.3 ; 11.52,6.12 11.34,6.3 ; 11.52,6.12 11.66,6.12 ; 11.52,6.12 11.66,6.12 ; 11.52,6.12 11.66,6.12 ; 11.52,6.12 11.34,6.3 ; 11.52,6.12 11.66,6.12 ; 11.52,6.12 11.66,6.12 ; 11.52,6.12 11.66,6.12 ; 11.52,6.12 11.66,6.12 ; 11.52,6.12 11.66,6.12 ; 11.52,6.12 11.34,6.3 ; 11.52,6.12 11.66,6.12 ; 11.52,6.12 11.66,6.12 ; 11.52,6.12 11.66,6.12 ; 11.52,6.12 11.34,6.3 ; 11.52,6.12 11.66,6.12 ; 11.52,6.12 11.34,6.3 ; 11.52,6.12 11.34,6.3 ; 11.52,6.12 11.66,6.12 ; 11.52,6.12 11.34,6.3 ; 11.52,6.12 11.66,6.12 ; 11.52,6.12 11.34,6.3 ; 11.52,6.12 11.34,6.3 ; 11.52,6.12 11.66,6.12 ; 11.52,6.12 11.66,6.12 ; 11.52,6.12 11.66,6.12 ; 11.52,6.12 11.66,6.12 ; 11.52,6.12 11.66,6.12 ; 11.52,6.12 11.34,6.3 ; 11.52,6.12 11.34,6.3 ; 11.52,6.12 11.34,6.3 ; 11.52,6.12 11.34,6.3 ; 11.52,6.12 11.34,6.3 ; 11.52,6.12 11.66,6.12 ; 11.52,6.12 11.66,6.12 ; 11.52,6.12 11.34,6.3 ; 11.52,6.12 11.34,6.3 ; 11.52,6.12 11.34,6.3 ; 11.34,6.3 8.36,6.3 ; 11.34,6.3 8.36,6.3 ; 11.34,6.3 8.36,6.3 ; 11.34,6.3 8.36,6.3 ; 11.34,6.3 8.36,6.3 ; 11.34,6.3 8.36,6.3 ; 11.34,6.3 8.36,6.3 ; 11.34,6.3 8.36,6.3 ; 11.34,6.3 8.36,6.3 ; 11.34,6.3 8.36,6.3 ; 11.34,6.3 8.36,6.3 ; 11.34,6.3 8.36,6.3 ; 11.34,6.3 8.36,6.3 ; 11.34,6.3 8.36,6.3 ; 11.34,6.3 8.36,6.3 ; 11.34,6.3 8.36,6.3 ; 11.34,6.3 8.36,6.3 ; 11.34,6.3 8.36,6.3 ; 11.34,6.3 8.36,6.3 ; 11.34,6.3 8.36,6.3 ; 11.34,6.3 8.36,6.3 ; 11.34,6.3 8.36,6.3 ; 11.34,6.3 8.36,6.3 ; 11.34,6.3 8.36,6.3 ; 11.34,6.3 8.36,6.3 ; 11.34,6.3 8.36,6.3 ; 11.34,6.3 8.36,6.3 ; 11.34,6.3 8.36,6.3 ; 11.34,6.3 8.36,6.3 ; 11.34,6.3 8.36,6.3 ; 11.34,6.3 8.36,6.3 ; 11.34,6.3 8.36,6.3 ; 11.34,6.3 8.36,6.3 ; 11.34,6.3 8.36,6.3 ; 11.34,6.3 8.36,6.3 ; 11.34,6.3 8.36,6.3 ; 11.34,6.3 8.36,6.3 ; 11.34,6.3 8.36,6.3 ; 11.34,6.3 8.36,6.3 ; 11.34,6.3 8.36,6.3 ; 11.34,6.3 8.36,6.3 ; 11.34,6.3 8.36,6.3 ; 8.04,5.98 J173.17 ; 8.04,5.98 8.36,6.3 ; 8.04,5.98 J173.17 ; 8.04,5.98 J173.17 ; 8.04,5.98 8.36,6.3 ; 8.04,5.98 8.36,6.3 ; 8.04,5.98 8.36,6.3 ; 8.04,5.98 J173.17 ; 8.04,5.98 8.36,6.3 ; 8.04,5.98 J173.17 ; 8.04,5.98 8.36,6.3 ; 8.04,5.98 J173.17 ; 8.04,5.98 8.36,6.3 ; 8.04,5.98 J173.17 ; 8.04,5.98 8.36,6.3 ; 8.04,5.98 J173.17 ; 8.04,5.98 J173.17 ; 8.04,5.98 J173.17 ; 8.04,5.98 8.36,6.3 ; 8.04,5.98 J173.17 ; 8.04,5.98 8.36,6.3 ; 8.04,5.98 J173.17 ; 8.04,5.98 8.36,6.3 ; 8.04,5.98 8.36,6.3 ; 8.04,5.98 J173.17 ; 8.04,5.98 J173.17 ; 8.04,5.98 J173.17 ; 8.04,5.98 J173.17 ; 8.04,5.98 J173.17 ; 8.04,5.98 8.36,6.3 ; 8.04,5.98 8.36,6.3 ; 8.04,5.98 8.36,6.3 ; 8.04,5.98 J173.17 ; 8.04,5.98 8.36,6.3 ; 8.04,5.98 8.36,6.3 ; 8.04,5.98 8.36,6.3 ; 8.04,5.98 8.36,6.3 ; 8.04,5.98 8.36,6.3 ; 8.04,5.98 8.36,6.3 ; 8.04,5.98 8.36,6.3 ; 8.04,5.98 8.36,6.3 ; 8.04,5.98 8.36,6.3 ; 8.04,5.98 8.36,6.3 ; 8.04,5.98 8.36,6.3 ; 8.04,5.98 8.36,6.3 ; 8.04,5.98 J173.17 ; 8.04,5.98 8.36,6.3 ; 8.04,5.98 J173.17 ; 8.04,5.98 8.36,6.3 ; 8.04,5.98 J173.17 ; 8.04,5.98 8.36,6.3 ; 8.04,5.98 J173.17 ; 8.04,5.98 J173.17 ; 8.04,5.98 J173.17 ; 8.04,5.98 J173.17 ; 8.04,5.98 8.36,6.3 ; 8.04,5.98 8.36,6.3 ; 8.04,5.98 8.36,6.3 ; 8.04,5.98 8.36,6.3 ; 8.04,5.98 J173.17 ; 8.04,5.98 J173.17 ; 8.04,5.98 8.36,6.3 ; 8.04,5.98 J173.17 ; 8.04,5.98 J173.17 ; 8.04,5.98 8.36,6.3 ; 8.04,5.98 J173.17 ; 8.04,5.98 J173.17 ; 8.04,5.98 8.36,6.3 ; 8.04,5.98 J173.17 ; 8.04,5.98 J173.17 ; 8.04,5.98 J173.17 ; 8.04,5.98 J173.17 ; 8.04,5.98 J173.17 ; 8.04,5.98 J173.17 ; 8.04,5.98 J173.17 ; 8.04,5.98 J173.17 ; 8.04,5.98 8.36,6.3 ; 8.04,5.98 J173.17 ; 8.04,5.98 8.36,6.3 ; 8.04,5.98 8.36,6.3 ; 8.04,5.98 8.36,6.3 ; 8.04,5.98 J173.17 ; 8.04,5.98 8.36,6.3 ; 8.04,5.98 J173.17